# KiCad board pandakbd_panel.kicad_pcb (continued)
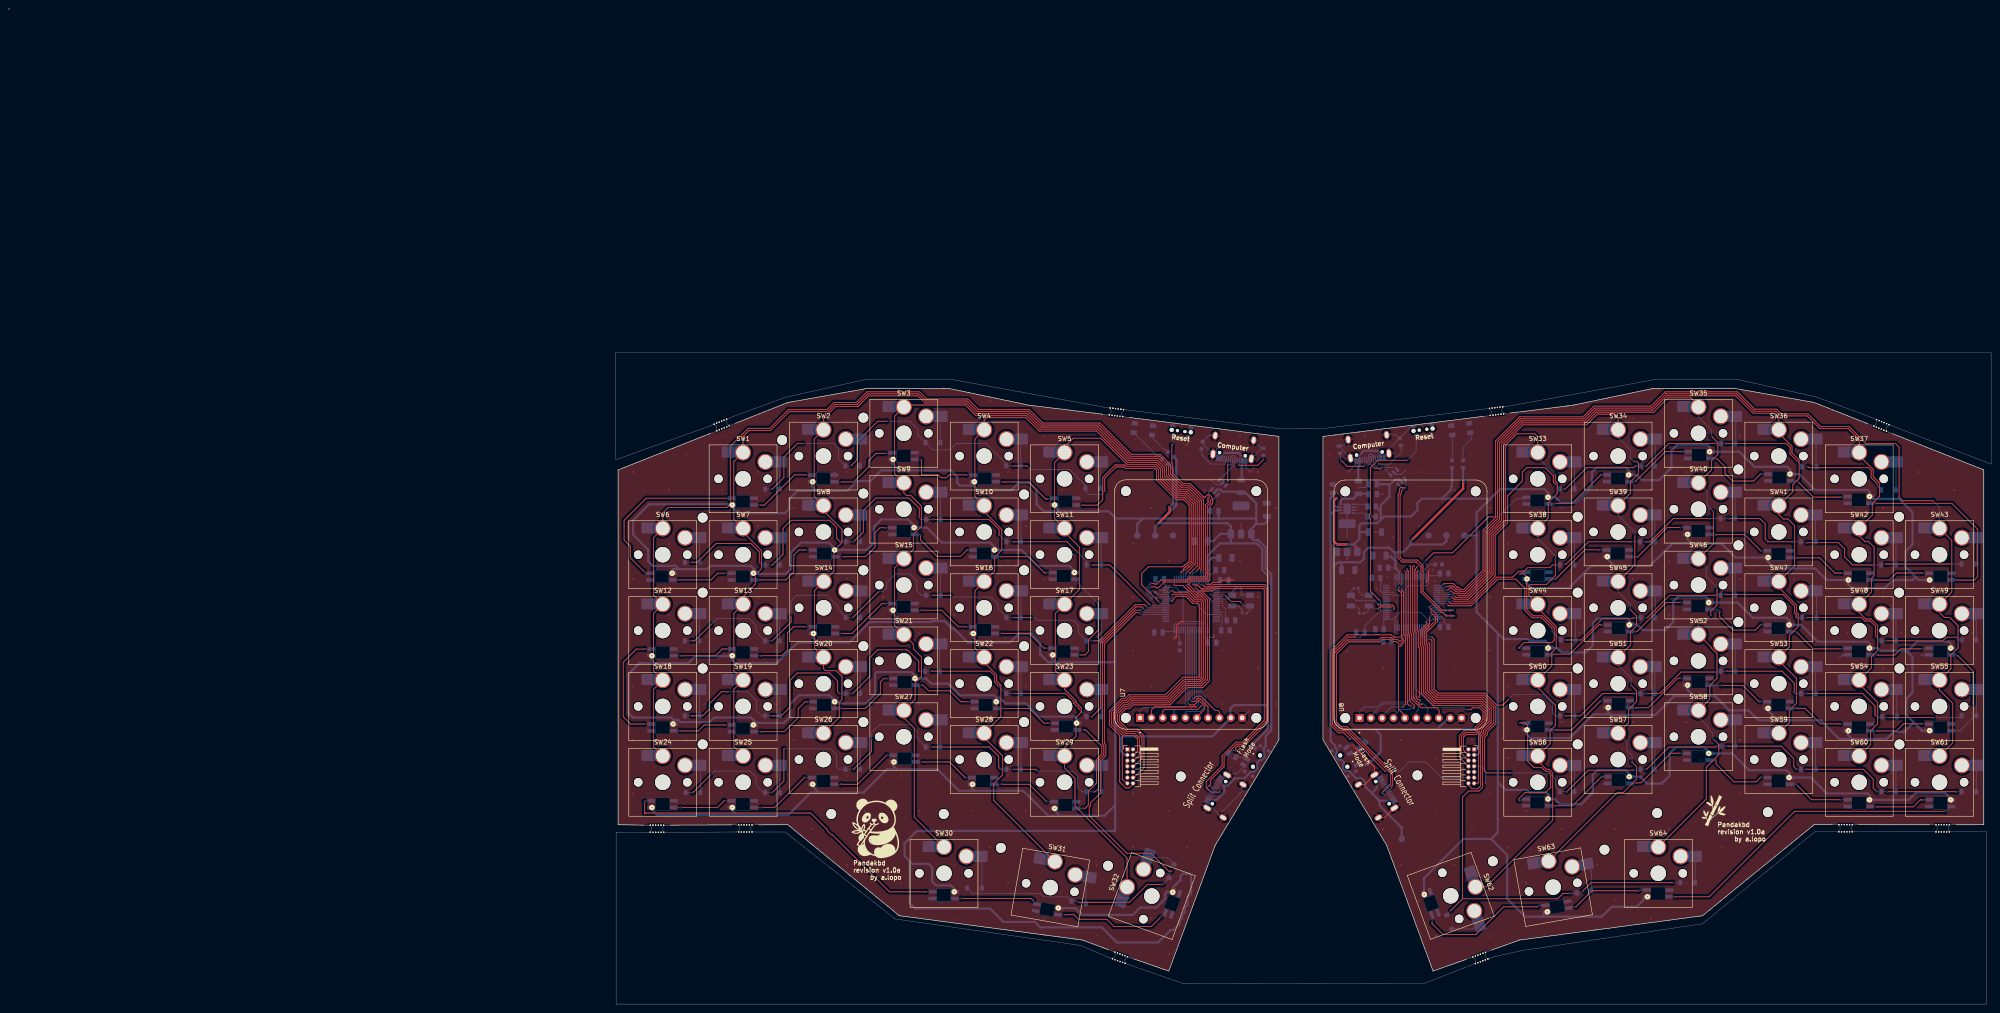
[diagram p0: board, top side]
## Library data of the parts
C1-C4 = -: Description: Unpolarized capacitor; LCSC: C13585; LCSC Part: C13585; ki_fp_filters: C_*
C5-C9 C14-C18 C21 C22 C30 = -: LCSC: C48579599; LCSC Part: C48579599; ki_fp_filters: C_*
C10 C13 = -: LCSC: C13585; LCSC Part: C13585; ki_fp_filters: C_*
C11 C12 C19 C20 = -: LCSC: C441742; LCSC Part: C441742; ki_fp_filters: C_*
C23 C24 C26 C27 C29 = -: Description: Unpolarized capacitor; LCSC: C48579599; LCSC Part: C48579599; ki_fp_filters: C_*
C25 C28 = -: Description: Unpolarized capacitor; LCSC: C1705; LCSC Part: C1705; ki_fp_filters: C_*
D1 D2 = -: Datasheet: https://wmsc.lcsc.com/wmsc/upload/file/pdf/v2/lcsc/2312041000_hongjiacheng-SMF5-0A_C19077497.pdf; Description: 27.4A 7.3V 200W 6.4V Unidirectional 5V SOD-123FL ESD and Surge Protection (TVS/ESD) ROHS; LCSC: C19077497; Stock: 158412; Price: 0.028USD; Process: SMT; Minimum Qty: 15; Attrition Qty: 4; Class: Preferred Component; Category: Circuit Protection,ESD And Surge Protection (TVS/ESD); Manufacturer: hongjiacheng; LCSC Part: C19077497; ki_fp_filters: D_*
D3 D5 = -: Datasheet: https://www.lcsc.com/datasheet/C84260.pdf; Description: Light emitting diode; Sim.Pins: 1=K 2=A; LCSC: C84260; ki_fp_filters: LED* LED_SMD:* LED_THT:*
D4 D70 = -: Datasheet: https://www.lcsc.com/datasheet/C84261.pdf; Description: Light emitting diode; Sim.Pins: 1=K 2=A; LCSC: C84261; ki_fp_filters: LED* LED_SMD:* LED_THT:*
D6-D69 = -: Sim.Device: D; Sim.Pins: 1=K 2=A; LCSC: C917030; LCSC Part: C917030; ki_fp_filters: TO-???* *_Diode_* *SingleDiode* D_*
J1 J2 = -: Datasheet: https://www.st.com/content/ccc/resource/technical/document/user_manual/group1/99/49/91/b6/b2/3a/46/e5/DM00526767/files/DM00526767.pdf/jcr:content/translations/en.DM00526767.pdf; Description: ST Debug Connector, standard ARM Cortex-M SWD and JTAG interface plus UART; ki_fp_filters: PinHeader?2x07?P1.27mm*
LED1-LED64 = -: ki_fp_filters: 4960_ADA
R1 R7-R9 = -: LCSC: C2907114; LCSC Part: C2907114; ki_fp_filters: R_*
R2 R11 = -: Datasheet: https://www.lcsc.com/datasheet/C108661.pdf; Description: Resistor; LCSC: C108661; ki_fp_filters: R_*
R3 R4 = -: LCSC: C84376; LCSC Part: C84376; ki_fp_filters: R_*
R5 = -: Description: Resistor; LCSC: C17630; LCSC Part: C17630; ki_fp_filters: R_*
R6 = -: Description: Resistor; LCSC: C84376; LCSC Part: C84376; ki_fp_filters: R_*
R10 R12 = -: Description: Resistor; LCSC: C2907148; ki_fp_filters: R_*
R13-R16 = -: Description: Resistor; LCSC: C2906914; ki_fp_filters: R_*
SW1-SW64 = -: LCSC: C917030; LCSC Part: C917030
SW66 SW69 = -: LCSC Part: C2890358; LCSC: C2890358
U1 U2 = -: Datasheet: https://www.analog.com/media/en/technical-documentation/data-sheets/1963aff.pdf; Description: 3.3V, 1.5A, Low Noise, Fast Transient Response LDO Regulator, SOT-223; LCSC: C6186; LCSC Part: C6186; ki_fp_filters: SOT*223*
U3 U4 = -: Datasheet: https://www.st.com/resource/en/datasheet/stm32f446rc.pdf; Description: STMicroelectronics Arm Cortex-M4 MCU, 256KB flash, 128KB RAM, 180 MHz, 1.8-3.6V, 50 GPIO, LQFP64; LCSC: C915971; LCSC Part: C915971; ki_fp_filters: LQFP*10x10mm*P0.5mm*
U5 U10 = -: LCSC Part: C5261088; LCSC: C5261088
U6 = -: Datasheet: https://lcsc.com/product-detail/PMIC-Battery-Management_TI_TPS2115ADRBR_TPS2115ADRBR_C140321.html; LCSC Part: C2863458; LCSC: C2863458
U7 U8 = -: PARTREV: 2021-12-09; MANUFACTURER: Adafruit Industries; STANDARD: Manufacturer Recommendations
U9 U11 = -: LCSC Part: C17179533
USBC1-USBC4 = -: Datasheet: https://lcsc.com/product-detail/USB-Type-C_Korean-Hroparts-Elec-TYPE-C-31-M-12_C165948.html; LCSC Part: C165948; LCSC: C165948
Y1 Y2 = -: LCSC: C1985378; LCSC Part: C1985378; ki_fp_filters: Crystal*

## Footprints (pads in the part's own frame, mm; a bottom-side part is the same pattern mirrored in y, then rotated)
4960_ADA
  rect 1.739x0.798 smd: 1(-2.534,0.742)
  rect 1.733x0.818 smd: 2(-2.537,-0.752)
  rect 1.739x0.817 smd: 3(2.534,-0.751)
  rect 1.745x0.804 smd: 4(2.531,0.745)
C_0402_1005Metric
  rrect 0.56x0.62 smd: 1(-0.48,0) 2(0.48,0)
C_0603_1608Metric
  rrect 0.9x0.95 smd: 1(-0.775,0) 2(0.775,0)
C_0805_2012Metric
  rrect 1x1.45 smd: 1(-0.95,0) 2(0.95,0)
C_1206_3216Metric
  rrect 1.15x1.8 smd: 1(-1.475,0) 2(1.475,0)
Crystal_SMD_Abracon_ABM3B-4Pin_5.0x3.2mm
  rrect 1.8x1.2 smd: 1(-2,-1.2) 2(2,-1.2) 3(2,1.2) 4(-2,1.2)
D_SOD-123
  rrect 0.9x1.2 smd: 1(-1.65,0) 2(1.65,0)
D_SOD-123#2
  rrect 0.9x1.2 smd: 1(-1.65,0) 2(1.65,0)
D_SOD-123FL
  rrect 1.1x1.6 smd: 1(-1.4,0) 2(1.4,0)
LED0805-R-RD
  rect 1x1.4 smd: 1(1.05,0) 2(-1.05,0)
LQFP-64_10x10mm_P0.5mm
  rrect 1.55x0.3 smd: 1(-5.675,3.75) 2(-5.675,3.25) 3(-5.675,2.75) 4(-5.675,2.25) 5(-5.675,1.75) 6(-5.675,1.25) 7(-5.675,0.75) 8(-5.675,0.25) 9(-5.675,-0.25) 10(-5.675,-0.75) 11(-5.675,-1.25) 12(-5.675,-1.75) 13(-5.675,-2.25) 14(-5.675,-2.75) 15(-5.675,-3.25) 16(-5.675,-3.75) 33(5.675,-3.75) 34(5.675,-3.25) 35(5.675,-2.75) 36(5.675,-2.25) 37(5.675,-1.75) 38(5.675,-1.25) 39(5.675,-0.75) 40(5.675,-0.25) 41(5.675,0.25) 42(5.675,0.75) 43(5.675,1.25) 44(5.675,1.75) 45(5.675,2.25) 46(5.675,2.75) 47(5.675,3.25) 48(5.675,3.75)
  rrect 0.3x1.55 smd: 17(-3.75,-5.675) 18(-3.25,-5.675) 19(-2.75,-5.675) 20(-2.25,-5.675) 21(-1.75,-5.675) 22(-1.25,-5.675) 23(-0.75,-5.675) 24(-0.25,-5.675) 25(0.25,-5.675) 26(0.75,-5.675) 27(1.25,-5.675) 28(1.75,-5.675) 29(2.25,-5.675) 30(2.75,-5.675) 31(3.25,-5.675) 32(3.75,-5.675) 49(3.75,5.675) 50(3.25,5.675) 51(2.75,5.675) 52(2.25,5.675) 53(1.75,5.675) 54(1.25,5.675) 55(0.75,5.675) 56(0.25,5.675) 57(-0.25,5.675) 58(-0.75,5.675) 59(-1.25,5.675) 60(-1.75,5.675) 61(-2.25,5.675) 62(-2.75,5.675) 63(-3.25,5.675) 64(-3.75,5.675)
LQFP-64_10x10mm_P0.5mm#2
  rrect 1.55x0.3 smd: 1(-5.675,3.75) 2(-5.675,3.25) 3(-5.675,2.75) 4(-5.675,2.25) 5(-5.675,1.75) 6(-5.675,1.25) 7(-5.675,0.75) 8(-5.675,0.25) 9(-5.675,-0.25) 10(-5.675,-0.75) 11(-5.675,-1.25) 12(-5.675,-1.75) 13(-5.675,-2.25) 14(-5.675,-2.75) 15(-5.675,-3.25) 16(-5.675,-3.75) 33(5.675,-3.75) 34(5.675,-3.25) 35(5.675,-2.75) 36(5.675,-2.25) 37(5.675,-1.75) 38(5.675,-1.25) 39(5.675,-0.75) 40(5.675,-0.25) 41(5.675,0.25) 42(5.675,0.75) 43(5.675,1.25) 44(5.675,1.75) 45(5.675,2.25) 46(5.675,2.75) 47(5.675,3.25) 48(5.675,3.75)
  rrect 0.3x1.55 smd: 17(-3.75,-5.675) 18(-3.25,-5.675) 19(-2.75,-5.675) 20(-2.25,-5.675) 21(-1.75,-5.675) 22(-1.25,-5.675) 23(-0.75,-5.675) 24(-0.25,-5.675) 25(0.25,-5.675) 26(0.75,-5.675) 27(1.25,-5.675) 28(1.75,-5.675) 29(2.25,-5.675) 30(2.75,-5.675) 31(3.25,-5.675) 32(3.75,-5.675) 49(3.75,5.675) 50(3.25,5.675) 51(2.75,5.675) 52(2.25,5.675) 53(1.75,5.675) 54(1.25,5.675) 55(0.75,5.675) 56(0.25,5.675) 57(-0.25,5.675) 58(-0.75,5.675) 59(-1.25,5.675) 60(-1.75,5.675) 61(-2.25,5.675) 62(-2.75,5.675) 63(-3.25,5.675) 64(-3.75,5.675)
MODULE_358
  round 2.2 hole 2.2 unplated: (-25.4,14.605) (-25.4,-14.605) (25.4,14.605) (25.4,-14.605)
  rect 1.778x1.778 hole 1.016: 1(-25.4,11.43)
  round 1.778 hole 1.016: 2(-25.4,8.89) 3(-25.4,6.35) 4(-25.4,3.81) 5(-25.4,1.27) 6(-25.4,-1.27) 7(-25.4,-3.81) 8(-25.4,-6.35) 9(-25.4,-8.89) 10(-25.4,-11.43)
MountingHole_2.2mm_M2
  round 2.2 hole 2.2 unplated: (0,0)
MouseBites, Cosmetic, JLCPCB, 1.6mm
  round 0.3 hole 0.38 unplated: (0,3.9) (0,3.3) (0,2.7) (0,2.1) (0,1.5) (0,4.5) (1.6,4.5) (1.6,3.9) (1.6,2.7) (1.6,1.5) (1.6,3.3) (1.6,2.1)
PinHeader_2x07_P1.27mm_Horizontal
  rect 1x1 hole 0.65: 1(0,0)
  round 1 hole 0.65: 2(1.27,0) 3(0,-1.27) 4(1.27,-1.27) 5(0,-2.54) 6(1.27,-2.54) 7(0,-3.81) 8(1.27,-3.81) 9(0,-5.08) 10(1.27,-5.08) 11(0,-6.35) 12(1.27,-6.35) 13(0,-7.62) 14(1.27,-7.62)
R_0402_1005Metric
  rrect 0.54x0.64 smd: 1(-0.51,0) 2(0.51,0)
R_0603_1608Metric
  rrect 0.8x0.95 smd: 1(-0.825,0) 2(0.825,0)
R_0805_2012Metric
  rrect 1.025x1.4 smd: 1(-0.912,0) 2(0.912,0)
SON-8_L3.0-W3.0-P0.65-LS3.0-BL-EP
  rect 0.35x0.6 smd: 1(-0.99,-1.4) 2(-0.33,-1.4) 3(0.33,-1.4) 4(0.99,-1.4) 5(0.99,1.4) 6(0.33,1.4) 7(-0.33,1.4) 8(-0.99,1.4)
  rect 2.4x1.6 smd: 9(0,0)
SOT-23-6_L2.9-W1.6-P0.95-LS2.8-BR
  rect 1.1x0.6 smd: 1(1.35,-0.95) 2(1.35,0) 3(1.35,0.95) 4(-1.35,0.95) 5(-1.35,0) 6(-1.35,-0.95)
SOT-223-3_TabPin2
  rrect 2x1.5 smd: 1(-3.15,2.3) 2(-3.15,0) 3(-3.15,-2.3)
  rrect 2x3.8 smd: 2(3.15,0)
SW-SMD_GT-TC020B-H035-L05
  round 0.9 hole 0.9: (-2.15,-0.32) (2.15,-0.32)
  round 0.7 hole 0.7: (-0.85,-0.32) (0.85,-0.32)
  rect 0.7x1.2 smd: 1(-1.7,0.97) 2(1.7,0.97)
  rect 1.5x1 smd: 3(0,1.27)
  rect 1.1x0.7 smd: 4(-2.1,-1.27) 4(2.1,-1.27)
SW-SMD_GT-TC020B-H035-L05#2
  round 0.9 hole 0.9: (-2.15,-0.32) (2.15,-0.32)
  round 0.7 hole 0.7: (-0.85,-0.32) (0.85,-0.32)
  rect 0.7x1.2 smd: 1(-1.7,0.97) 2(1.7,0.97)
  rect 1.5x1 smd: 3(0,1.27)
  rect 1.1x0.7 smd: 4(-2.1,-1.27) 4(2.1,-1.27)
SW-SMD_MK-12C03-G015
  round 0.9 hole 0.9: (-1.5,-0.48) (1.5,-0.48)
  rect 0.9x1.4 smd: 1(-2.25,1.56) 2(0.75,1.56) 3(2.25,1.56)
  rect 0.75x0.85 smd: 4(-3.38,0.59) 5(-3.38,-1.56) 6(3.37,0.57) 7(3.38,-1.56)
SW-SMD_MK-12C03-G015#2
  round 0.9 hole 0.9: (-1.5,-0.48) (1.5,-0.48)
  rect 0.9x1.4 smd: 1(-2.25,1.56) 2(0.75,1.56) 3(2.25,1.56)
  rect 0.75x0.85 smd: 4(-3.38,0.59) 5(-3.38,-1.56) 6(3.37,0.57) 7(3.38,-1.56)
SW_Hotswap_Kailh_Choc_V1_Plated_1.00u
  round 1.9 hole 1.9 unplated: (-5.5,0) (5.5,0)
  rrect 2.55x2.5 smd: (-3.5,6) (8.5,3.8)
  round 3.45 hole 3.45 unplated: (0,0)
  rrect 3.85x2.5 smd far side: 1(-2.85,6) 2(7.85,3.8)
  round 3.6 hole 3.05: 1(0,5.9) 2(5,3.8)
SW_Hotswap_Kailh_Choc_V1_Plated_1.50u
  round 1.9 hole 1.9 unplated: (-5.5,0) (5.5,0)
  rrect 2.55x2.5 smd: (-3.5,6) (8.5,3.8)
  round 3.45 hole 3.45 unplated: (0,0)
  rrect 3.85x2.5 smd far side: 1(-2.85,6) 2(7.85,3.8)
  round 3.6 hole 3.05: 1(0,5.9) 2(5,3.8)
TestPoint_Pad_D1.5mm
  round 1.5 smd: 1(0,0)
TestPoint_Pad_D1.5mm#2
  round 1.5 smd: 2(0,0)
TestPoint_Pad_D1.5mm#3
  round 1.5 smd: 3(0,0)
unnamed
  round 2.2 hole 2.2 unplated: (0,0)
USB-C_SMD-TYPE-C-31-M-12_1
  round 0.75 hole 0.75: (-2.9,1.21) (2.9,1.21)
  oval 1.2x2 hole 0.8x1.6: 1(4.33,1.71) 4(-4.33,1.71)
  oval 1.2x1.8 hole 0.8x1.4: 2(4.33,-2.47) 3(-4.33,-2.47)
  custom 0.7x1.4 smd: A1B12(-3.2,2.47) A4B9(-2.4,2.47) B1A12(3.2,2.47) B4A9(2.4,2.47)
  rect 0.3x1.3 smd: A5(-1.25,2.47) A6(-0.25,2.47) A7(0.25,2.47) A8(1.25,2.47) B5(1.75,2.47) B6(0.75,2.47) B7(-0.75,2.47) B8(-1.75,2.47)
USB-C_SMD-TYPE-C-31-M-12_1#2
  round 0.75 hole 0.75: (-2.9,1.21) (2.9,1.21)
  oval 1.2x2 hole 0.8x1.6: 1(4.33,1.71) 4(-4.33,1.71)
  oval 1.2x1.8 hole 0.8x1.4: 2(4.33,-2.47) 3(-4.33,-2.47)
  custom 0.7x1.4 smd: A1B12(-3.2,2.47) A4B9(-2.4,2.47) B1A12(3.2,2.47) B4A9(2.4,2.47)
  rect 0.3x1.3 smd: A5(-1.25,2.47) A6(-0.25,2.47) A7(0.25,2.47) A8(1.25,2.47) B5(1.75,2.47) B6(0.75,2.47) B7(-0.75,2.47) B8(-1.75,2.47)
USB-C_SMD-TYPE-C-31-M-12_1#3
  round 0.75 hole 0.75: (-2.9,1.21) (2.9,1.21)
  oval 1.2x2 hole 0.8x1.6: 1(4.33,1.71) 4(-4.33,1.71)
  oval 1.2x1.8 hole 0.8x1.4: 2(4.33,-2.47) 3(-4.33,-2.47)
  custom 0.7x1.4 smd: A1B12(-3.2,2.47) A4B9(-2.4,2.47) B1A12(3.2,2.47) B4A9(2.4,2.47)
  rect 0.3x1.3 smd: A5(-1.25,2.47) A6(-0.25,2.47) A7(0.25,2.47) A8(1.25,2.47) B5(1.75,2.47) B6(0.75,2.47) B7(-0.75,2.47) B8(-1.75,2.47)

## Nets
+3.3V: 3.3V.2 3.3V#2.2 C2.1 C4.1 C5.1 C6.1 C7.1 C8.1 C9.1 C10.1 C13.2 C14.2 C15.2 C16.2 C17.2 C18.2 C29.1 C30.2 J1.3 J2.3 R2.2 R11.2 SW66.1 SW69.1 U1.3 U2.3 U3.1 U3.13 U3.19 U3.32 U3.48 U3.64 U4.1 U4.13 U4.19 U4.32 U4.48 U4.64 U7.9 U8.9
+5V: 5V.1 5V#2.1 C1.1 C3.1 C23.1 C24.1 D2.1 LED1.1 LED2.1 LED3.1 LED4.1 LED5.1 LED6.1 LED7.1 LED8.1 LED9.1 LED10.1 LED11.1 LED12.1 LED13.1 LED14.1 LED15.1 LED16.1 LED17.1 LED18.1 LED19.1 LED20.1 LED21.1 LED22.1 LED23.1 LED24.1 LED25.1 LED26.1 LED27.1 LED28.1 LED29.1 LED30.1 LED31.1 LED32.1 LED33.1 LED34.1 LED35.1 LED36.1 LED37.1 LED38.1 LED39.1 LED40.1 LED41.1 LED42.1 LED43.1 LED44.1 LED45.1 LED46.1 LED47.1 LED48.1 LED49.1 LED50.1 LED51.1 LED52.1 LED53.1 LED54.1 LED55.1 LED56.1 LED57.1 LED58.1 LED59.1 LED60.1 LED61.1 LED62.1 LED63.1 LED64.1 R6.1 R10.2 R12.2 U1.1 U2.1 U5.5 U6.7 U10.5 USBC3.A4B9 USBC3.B4A9
/VBUSa: D2.2 USBC1.A4B9 USBC1.B4A9
/VBUSb: D1.2 USBC2.A4B9 USBC2.B4A9
GND: C1.2 C2.2 C3.2 C4.2 C5.2 C6.2 C7.2 C8.2 C9.2 C10.2 C11.2 C12.2 C13.1 C14.1 C15.1 C16.1 C17.1 C18.1 C19.2 C20.2 C21.1 C22.1 C23.2 C24.2 C25.1 C26.1 C27.1 C28.1 C29.2 C30.1 D3.1 D4.1 D5.1 D70.1 GND.3 J1.5 J1.7 J2.5 J2.7 LED1.3 LED2.3 LED3.3 LED4.3 LED5.3 LED6.3 LED7.3 LED8.3 LED9.3 LED10.3 LED11.3 LED12.3 LED13.3 LED14.3 LED15.3 LED16.3 LED17.3 LED18.3 LED19.3 LED20.3 LED21.3 LED22.3 LED23.3 LED24.3 LED25.3 LED26.3 LED27.3 LED28.3 LED29.3 LED30.3 LED31.3 LED32.3 LED33.3 LED34.3 LED35.3 LED36.3 LED37.3 LED38.3 LED39.3 LED40.3 LED41.3 LED42.3 LED43.3 LED44.3 LED45.3 LED46.3 LED47.3 LED48.3 LED49.3 LED50.3 LED51.3 LED52.3 LED53.3 LED54.3 LED55.3 LED56.3 LED57.3 LED58.3 LED59.3 LED60.3 LED61.3 LED62.3 LED63.3 LED64.3 R1.1 R5.2 R7.1 R8.1 R9.1 SW66.3 SW69.3 U1.2 U2.2 U3.12 U3.18 U3.31 U3.47 U3.63 U4.12 U4.18 U4.31 U4.47 U4.63 U5.2 U6.2 U6.3 U6.5 U6.9 U7.10 U8.10 U9.2 U9.3 U9.4 U10.2 U11.2 U11.3 U11.4 USBC1.1 USBC1.2 USBC1.3 USBC1.4 USBC1.A1B12 USBC1.B1A12 USBC2.1 USBC2.2 USBC2.3 USBC2.4 USBC2.A1B12 USBC2.B1A12 USBC3.1 USBC3.2 USBC3.3 USBC3.4 USBC3.A1B12 USBC3.B1A12 USBC4.1 USBC4.2 USBC4.3 USBC4.4 USBC4.A1B12 USBC4.B1A12 Y1.2 Y1.4 Y2.2 Y2.4
VBUS MASTER HALF: C27.2 MASTER VBUS.1 U6.6 USBC4.A4B9 USBC4.B4A9
VBUS USB: C26.2 D1.1 U6.8
/STM MCUs/BOOT0a: R3.1 U3.60
/STM MCUs/BOOT0b: R4.1 U4.60
/STM MCUs/OSC INa: C11.1 U3.5 Y1.3
/STM MCUs/OSC OUTa: C12.1 U3.6 Y1.1
/STM MCUs/SW_BOOT0a: R3.2 SW69.2
/STM MCUs/SW_BOOT0b: R4.2 SW66.2
COL0a: SW6.1 SW12.1 SW18.1 SW24.1 U3.62
COL0b: SW43.1 SW49.1 SW55.1 SW61.1 U4.33
COL1a: SW1.1 SW7.1 SW13.1 SW19.1 SW25.1 U3.61
COL1b: SW37.1 SW42.1 SW48.1 SW54.1 SW60.1 U4.34
COL2a: SW2.1 SW8.1 SW14.1 SW20.1 SW26.1 U3.57
COL2b: SW36.1 SW41.1 SW47.1 SW53.1 SW59.1 U4.35
COL3a: SW3.1 SW9.1 SW15.1 SW21.1 SW27.1 SW30.1 U3.56
COL3b: SW35.1 SW40.1 SW46.1 SW52.1 SW58.1 SW64.1 U4.36
COL4a: SW4.1 SW10.1 SW16.1 SW22.1 SW28.1 SW31.1 U3.54
COL4b: SW34.1 SW39.1 SW45.1 SW51.1 SW57.1 SW63.1 U4.37
COL5a: SW5.1 SW11.1 SW17.1 SW23.1 SW29.1 SW32.1 U3.53
COL5b: SW33.1 SW38.1 SW44.1 SW50.1 SW56.1 SW62.1 U4.38
CSa: U3.20 U7.5
CSb: U4.20 U8.5
DataCommanda: U3.25 U7.7
DataCommandb: U4.25 U8.7
LCDReseta: U3.24 U7.8
LCDResetb: U4.24 U8.8
LEDsa: LED1.4 U3.52
LEDsb: LED33.4 U4.28
MISOa: U3.22 U7.2
MISOb: U4.22 U8.2
MOSIa: U3.23 U7.4
MOSIb: U4.23 U8.4
OSC INb: C19.1 U4.5 Y2.3
OSC OUTb: C20.1 U4.6 Y2.1
RESETa: C21.2 J2.12 U3.7 U9.1
RESETb: C22.2 J1.12 U4.7 U11.1
ROW0a: D6.1 D7.1 D8.1 D9.1 D10.1 U3.41
ROW0b: D38.1 D39.1 D40.1 D41.1 D42.1 U4.39
ROW1a: D11.1 D12.1 D13.1 D14.1 D15.1 D16.1 U3.40
ROW1b: D43.1 D44.1 D45.1 D46.1 D47.1 D48.1 U4.40
ROW2a: D17.1 D18.1 D19.1 D20.1 D21.1 D22.1 U3.39
ROW2b: D49.1 D50.1 D51.1 D52.1 D53.1 D54.1 U4.41
ROW3a: D23.1 D24.1 D25.1 D26.1 D27.1 D28.1 U3.38
ROW3b: D55.1 D56.1 D57.1 D58.1 D59.1 D60.1 U4.50
ROW4a: D29.1 D30.1 D31.1 D32.1 D33.1 D34.1 U3.37
ROW4b: D61.1 D62.1 D63.1 D64.1 D65.1 D66.1 U4.51
ROW5a: D35.1 D36.1 D37.1 U3.36
ROW5b: D67.1 D68.1 D69.1 U4.52
SCKa: U3.21 U7.3
SCKb: U4.21 U8.3
SCLa: U3.58 USBC3.A6 USBC3.B6
SCLb: U4.58 USBC4.A6 USBC4.B6
ScreenBrighta: U3.27 U7.1
ScreenBrightb: U4.27 U8.1
SDAa: U3.59 USBC3.A7 USBC3.B7
SDAb: U4.59 USBC4.A7 USBC4.B7
SDCSa: U3.26 U7.6
SDCSb: U4.26 U8.6
SWCLKa: J2.6 U3.49
SWCLKb: J1.6 U4.49
SWDIOa: J2.4 U3.46
SWDIOb: J1.4 U4.46
SWOa: J2.8 U3.55
SWOb: J1.8 U4.55
UART_RXa: J2.13 U3.43
UART_RXb: J1.13 U4.43
UART_TXa: J2.14 U3.42
UART_TXb: J1.14 U4.42
USBDa+: R13.2 U5.6
USBDa-: R14.2 U5.4
USBDb+: R15.2 U10.6
USBDb-: R16.2 U10.4
Net-(D3-A): D3.2 R2.1
Net-(D4-A): D4.2 R10.1
Net-(D5-A): D5.2 R11.1
Net-(D6-A): D6.2 SW1.2
Net-(D7-A): D7.2 SW2.2
Net-(D8-A): D8.2 SW3.2
Net-(D9-A): D9.2 SW4.2
Net-(D10-A): D10.2 SW5.2
Net-(D11-A): D11.2 SW6.2
Net-(D12-A): D12.2 SW7.2
Net-(D13-A): D13.2 SW8.2
Net-(D14-A): D14.2 SW9.2
Net-(D15-A): D15.2 SW10.2
Net-(D16-A): D16.2 SW11.2
Net-(D17-A): D17.2 SW12.2
Net-(D18-A): D18.2 SW13.2
Net-(D19-A): D19.2 SW14.2
Net-(D20-A): D20.2 SW15.2
Net-(D21-A): D21.2 SW16.2
Net-(D22-A): D22.2 SW17.2
Net-(D23-A): D23.2 SW18.2
Net-(D24-A): D24.2 SW19.2
Net-(D25-A): D25.2 SW20.2
Net-(D26-A): D26.2 SW21.2
Net-(D27-A): D27.2 SW22.2
Net-(D28-A): D28.2 SW23.2
Net-(D29-A): D29.2 SW24.2
Net-(D30-A): D30.2 SW25.2
Net-(D31-A): D31.2 SW26.2
Net-(D32-A): D32.2 SW27.2
Net-(D33-A): D33.2 SW28.2
Net-(D34-A): D34.2 SW29.2
Net-(D35-A): D35.2 SW30.2
Net-(D36-A): D36.2 SW31.2
Net-(D37-A): D37.2 SW32.2
Net-(D38-A): D38.2 SW33.2
Net-(D39-A): D39.2 SW34.2
Net-(D40-A): D40.2 SW35.2
Net-(D41-A): D41.2 SW36.2
Net-(D42-A): D42.2 SW37.2
Net-(D43-A): D43.2 SW38.2
Net-(D44-A): D44.2 SW39.2
Net-(D45-A): D45.2 SW40.2
Net-(D46-A): D46.2 SW41.2
Net-(D47-A): D47.2 SW42.2
Net-(D48-A): D48.2 SW43.2
Net-(D49-A): D49.2 SW44.2
Net-(D50-A): D50.2 SW45.2
Net-(D51-A): D51.2 SW46.2
Net-(D52-A): D52.2 SW47.2
Net-(D53-A): D53.2 SW48.2
Net-(D54-A): D54.2 SW49.2
Net-(D55-A): D55.2 SW50.2
Net-(D56-A): D56.2 SW51.2
Net-(D57-A): D57.2 SW52.2
Net-(D58-A): D58.2 SW53.2
Net-(D59-A): D59.2 SW54.2
Net-(D60-A): D60.2 SW55.2
Net-(D61-A): D61.2 SW56.2
Net-(D62-A): D62.2 SW57.2
Net-(D63-A): D63.2 SW58.2
Net-(D64-A): D64.2 SW59.2
Net-(D65-A): D65.2 SW60.2
Net-(D66-A): D66.2 SW61.2
Net-(D67-A): D67.2 SW62.2
Net-(D68-A): D68.2 SW63.2
Net-(D69-A): D69.2 SW64.2
Net-(D70-A): D70.2 R12.1
Net-(LED1-DOUT): LED1.2 LED2.4
Net-(LED2-DOUT): LED2.2 LED3.4
Net-(LED3-DOUT): LED3.2 LED4.4
Net-(LED4-DOUT): LED4.2 LED5.4
Net-(LED5-DOUT): LED5.2 LED6.4
Net-(LED6-DOUT): LED6.2 LED7.4
Net-(LED7-DOUT): LED7.2 LED8.4
Net-(LED8-DOUT): LED8.2 LED9.4
Net-(LED10-DIN): LED9.2 LED10.4
Net-(LED10-DOUT): LED10.2 LED11.4
Net-(LED11-DOUT): LED11.2 LED12.4
Net-(LED12-DOUT): LED12.2 LED13.4
Net-(LED13-DOUT): LED13.2 LED14.4
Net-(LED14-DOUT): LED14.2 LED15.4
Net-(LED15-DOUT): LED15.2 LED16.4
Net-(LED16-DOUT): LED16.2 LED17.4
Net-(LED17-DOUT): LED17.2 LED18.4
Net-(LED18-DOUT): LED18.2 LED19.4
Net-(LED19-DOUT): LED19.2 LED20.4
Net-(LED20-DOUT): LED20.2 LED21.4
Net-(LED21-DOUT): LED21.2 LED22.4
Net-(LED22-DOUT): LED22.2 LED23.4
Net-(LED23-DOUT): LED23.2 LED24.4
Net-(LED24-DOUT): LED24.2 LED25.4
Net-(LED25-DOUT): LED25.2 LED26.4
Net-(LED26-DOUT): LED26.2 LED27.4
Net-(LED27-DOUT): LED27.2 LED28.4
Net-(LED28-DOUT): LED28.2 LED29.4
Net-(LED29-DOUT): LED29.2 LED30.4
Net-(LED30-DOUT): LED30.2 LED31.4
Net-(LED31-DOUT): LED31.2 LED32.4
Net-(LED33-DOUT): LED33.2 LED34.4
Net-(LED34-DOUT): LED34.2 LED35.4
Net-(LED35-DOUT): LED35.2 LED36.4
Net-(LED36-DOUT): LED36.2 LED37.4
Net-(LED37-DOUT): LED37.2 LED38.4
Net-(LED38-DOUT): LED38.2 LED44.4
Net-(LED39-DIN): LED39.4 LED40.2
Net-(LED39-DOUT): LED39.2 LED45.4
Net-(LED40-DIN): LED40.4 LED41.2
Net-(LED41-DIN): LED41.4 LED42.2
Net-(LED42-DIN): LED42.4 LED43.2
Net-(LED43-DIN): LED43.4 LED44.2
Net-(LED45-DOUT): LED45.2 LED46.4
Net-(LED46-DOUT): LED46.2 LED47.4
Net-(LED47-DOUT): LED47.2 LED48.4
Net-(LED48-DOUT): LED48.2 LED49.4
Net-(LED49-DOUT): LED49.2 LED50.4
Net-(LED50-DOUT): LED50.2 LED56.4
Net-(LED51-DIN): LED51.4 LED52.2
Net-(LED51-DOUT): LED51.2 LED57.4
Net-(LED52-DIN): LED52.4 LED53.2
Net-(LED53-DIN): LED53.4 LED54.2
Net-(LED54-DIN): LED54.4 LED55.2
Net-(LED55-DIN): LED55.4 LED56.2
Net-(LED57-DOUT): LED57.2 LED58.4
Net-(LED58-DOUT): LED58.2 LED59.4
Net-(LED59-DOUT): LED59.2 LED60.4
Net-(LED60-DOUT): LED60.2 LED61.4
Net-(LED61-DOUT): LED61.2 LED62.4
Net-(LED62-DOUT): LED62.2 LED64.4
Net-(LED63-DIN): LED63.4 LED64.2
Net-(U3-PA11): R13.1 U3.44
Net-(U3-PA12): R14.1 U3.45
Net-(U3-VCAP_1): C25.2 U3.30
Net-(U4-PA11): R15.1 U4.44
Net-(U4-PA12): R16.1 U4.45
Net-(U4-VCAP_1): C28.2 U4.30
Net-(U6-ILIM): R5.1 U6.4
Net-(U6-STAT): R6.2 U6.1
Net-(USBC1-CC1): R1.2 USBC1.A5
Net-(USBC1-CC2): R7.2 USBC1.B5
Net-(USBC1-DN1): U5.3 USBC1.A7 USBC1.B7
Net-(USBC1-DP1): U5.1 USBC1.A6 USBC1.B6
Net-(USBC2-CC1): R9.2 USBC2.A5
Net-(USBC2-CC2): R8.2 USBC2.B5
Net-(USBC2-DN1): U10.3 USBC2.A7 USBC2.B7
Net-(USBC2-DP1): U10.1 USBC2.A6 USBC2.B6

Pads without a net: GND#2 3; J1 1 2 9 10 11; J2 1 2 9 10 11; LED32 2; LED63 2; SW66 4 5 6 7; SW69 4 5 6 7; U3 2 3 4 8 9 10 11 14 15 16 17 28 29 33 34 35 50 51; U4 2 3 4 8 9 10 11 14 15 16 17 29 53 54 56 57 61 62; USBC1 A8 B8; USBC2 A8 B8; USBC3 A5 A8 B5 B8; USBC4 A5 A8 B5 B8

## Via types
v1: diameter 0.4, hole 0.3, Top to Bottom, 614 vias
v2: diameter 0.5, hole 0.3, Top to Bottom, 3 vias

## Routing (per net, layer and track width the routed paths; a pad name or vN(x,y) marks a point on that pad's centre or on a via; arc(x,y) is an arc through that point)
+3.3V: length 427.9
  Top w0.5: v2(124.06,111.31) 124.11,111.25 124.11,110.25 v1(121.61,107.75) ; v2(189.86,117) 189.86,115.5 v2(178.61,104.25)
  Bottom w0.2: 131.67,83.16 131.67,82.32 132.66,81.33 C9.1 ; C18.2 172.06,85.72 U4.1 174.2,86.28 174.71,86.8 ; 177.11,87.8 180.31,87.8 182.11,86 182.81,86 183.09,86.28 ; 177.11,87.8 175.71,87.8 174.71,86.8 ; 177.11,87.8 176.54,88.37 176.54,92.6 ; C17.2 184.66,85.45 183.83,86.28 183.09,86.28 ; 183.09,86.28 184.63,86.28 ; 173.61,81.75 174.11,81.75 174.55,82.18 U4.64 174.55,85.83 174.71,86 174.71,86.8 ; C5.1 122.86,94.16 123.25,93.78 U3.48 125.63,93.29 126.11,92.8 126.11,92.5 ; 176.54,92.68 176.54,92.6 ; 176.54,92.68 177.61,93.75 181.61,93.75 182.05,94.19 182.05,95.71 182.07,95.71 182.36,96 184.16,96 C16.2 ; 176.54,92.68 176.36,92.5 175.36,92.5 174.86,93 174.86,93.58 175.55,94.26 U4.19 ; 176.54,92.6 176.54,91.8 176.34,91.6 174.76,91.6 174.08,92.28 U4.13 171.58,92.28 171.36,92.5 171.36,94.25 171.61,94.5 171.61,95 ; 127.11,85.2 131.41,85.2 131.67,84.94 U3.19 ; 127.11,85.2 127.11,91.5 126.11,92.5 ; 127.11,85.2 125.51,85.2 125.11,84.8 125.11,83.92 U3.32 124.81,83.5 122.61,83.5 ; U3.64 132.67,96.06 132.86,96.25 ; U3.64 132.67,94.44 133.11,94 133.11,93 132.61,92.5 ; U3.64 132.67,95.51 C6.1 ; 135.36,95 135.36,93.75 134.9,93.29 U3.1 133.4,93.29 132.61,92.5 ; 126.11,92.5 130.31,92.5 ; 130.31,92.5 130.31,89.4 132.43,87.29 U3.13 135.51,87.29 135.86,86.94 135.86,85.55 135.66,85.35 135.66,83.5 ; 130.31,92.5 132.61,92.5 ; 174.71,97.63 174.6,97.75 C15.2
  Bottom w0.3: U4.19 175.55,96.8
  Bottom w0.5: 174.71,97.63 174.71,99.25 173.71,100.25 172.84,100.25 C13.2 ; 174.71,97.63 174.71,100.9 174.36,101.25 ; 174.71,97.63 175.55,96.8 ; 137.96,105.35 135.46,105.35 133.86,103.75 C2.1 ; SW66.1 168.49,53.63 171.36,56.5 171.36,60.35 170.11,61.6 ; v2(189.86,117) R2.2 ; v2(124.06,111.31) 124.86,112.11 124.86,120.04 R11.2 ; 160.91,97.4 160.91,100.7 U2.3 ; 178.11,103 185.36,103 186.11,103.75 3.3V.2 ; 178.11,103 178.11,103.75 v2(178.61,104.25) ; 178.11,103 176.36,101.25 174.36,101.25 ; 137.86,103.25 143.61,103.25 144.86,102 144.86,97.25 146.11,96 146.11,67 ; 137.86,103.25 135.36,103.25 132.61,100.5 132.61,98.75 ; 137.86,103.25 137.81,103.3 U1.3 137.81,107.05 137.11,107.75 v1(121.61,107.75) 120.86,107 120.86,105.5 ; J2.3 114.03,55.83 113.11,56.75 113.11,59.5 113.61,60 133.67,60 U7.9 ; 146.11,67 146.11,61.6 143.03,58.52 SW69.1 ; 146.11,67 138.51,67 137.71,66.2 137.71,64 137.71,64.2 ; 170.11,61.6 184.01,61.6 ; 170.11,61.6 162.91,61.6 160.91,63.6 160.91,98.1 161.81,99 162.61,99 ; 162.61,99 166.86,99 167.61,99.75 167.61,101.25 168.61,102.25 173.36,102.25 174.36,101.25 ; 162.61,99 162.61,97.5 ; 184.01,61.6 187.01,64.6 ; 184.01,61.6 192.51,61.6 193.51,60.6 193.51,56.31 193.03,55.83 J1.3 ; 132.73,96.25 132.61,96.36 132.61,98.75 ; C10.1 133.61,100 132.61,99 132.61,98.75
+5V: length 1930.4
  Top w0.5: v1(163.86,103) v1(162.86,103) v1(161.61,103) 160.93,103.69 v1(160.93,111.75) v1(160.93,112.81) v1(161.55,113.43)
  Bottom w0.2: 133.14,45.72 134.02,45.69 ; 135.34,50.08 136.25,48.98
  Bottom w0.4: 161.65,111.39 v1(160.93,111.75) ; 162.3,111.32 161.72,111.37
  Bottom w0.5: 63.51,119.6 75.11,119.6 76.51,118.2 76.51,116.8 77.11,116.2 80.16,116.2 80.44,115.92 ; 63.51,119.6 62.01,121.1 62.01,122.05 ; 63.51,119.6 59.5,119.6 57.1,117.2 54.11,117.2 51.91,115 44.91,115 ; 166.61,105.75 166.61,104.25 165.36,103 ; 166.61,105.75 166.61,107.25 167.11,107.75 170.61,107.75 171.36,108.5 ; 166.61,105.75 C3.1 ; 65.91,32 64.71,33.2 64.71,36 67.51,38.8 111.91,38.8 111.91,44.6 ; 65.91,32 66.51,31.4 70.11,31.4 70.91,30.6 70.91,27.4 71.71,26.6 75.11,26.6 76.02,25.7 76.02,25.15 ; 65.91,32 65.91,22.6 67.11,21.4 83.91,21.4 86.91,18.4 93.91,18.4 95.11,17.2 108.91,17.2 112.31,13.8 121.51,13.8 124.31,16.6 124.91,16.6 126.31,18 126.31,18.6 126.91,19.2 126.91,20 127.51,20.6 127.51,21.6 128.11,22.2 128.11,24 128.91,24.8 128.91,28.8 128.51,29.2 127.11,29.2 126.51,28.6 126.51,27.8 124.87,26.15 124.87,25.21 123.52,25.21 123.11,24.8 123.11,23.6 121.11,21.6 117.51,21.6 115.91,20 104.51,20 103.01,21.5 99.31,21.5 ; 13.02,63.66 13.02,62.75 ; 13.02,63.66 14.06,63.66 14.51,63.2 21.11,63.2 22.11,64.2 30.31,64.2 30.91,63.6 ; 13.02,63.66 12.47,64.2 3.91,64.2 2.91,65.2 2.91,74 5.31,76.4 8.76,76.4 ; 118.11,108.8 116.86,107.55 116.86,105.5 ; 99.51,42.2 109.51,42.2 111.91,44.6 ; 99.51,42.2 98.21,43.5 98.21,43.85 ; 99.51,42.2 96.91,42.2 91.31,47.8 80.31,47.8 ; 289.11,79.2 283.31,79.2 282.75,79.77 281.02,79.77 281.02,80.67 280.49,81.2 269.31,81.2 265.55,84.97 263.02,84.97 263.02,85.87 262.32,86.57 254.74,86.57 251.35,89.97 245.02,89.97 245.02,90.5 244.11,91.4 238.11,91.4 236.91,90.2 236.91,85.6 235.11,83.8 230.11,83.8 228.82,85.1 227.35,85.1 227.22,84.97 227.22,85.87 226.69,86.4 219.91,86.4 218.91,85.4 218.91,80.4 217.31,78.8 211.91,78.8 210.95,79.77 209.02,79.77 209.02,80.67 208.29,81.4 204.71,81.4 204.31,81.8 198.91,81.8 196.11,84.6 ; 289.11,79.2 289.51,79.2 291.51,81.2 298.69,81.2 299.22,80.67 299.22,79.77 ; 289.11,79.2 290.51,77.8 290.51,69.8 289.11,68.4 289.11,64.8 290.81,63.1 ; 260.31,63.6 256.01,63.6 253.81,65.8 249.51,65.8 246.31,69 241.58,69 241.34,69.23 ; 260.31,63.6 258.01,65.9 258.01,66.27 ; 260.31,63.6 269.91,63.6 274.11,59.4 276.96,59.4 ; 80.31,47.8 79.81,48.3 79.81,49.25 ; 80.31,47.8 76.91,47.8 72.11,52.6 62.91,52.6 ; 85.31,68.66 84.77,69.2 77.11,69.2 74.51,71.8 70.71,71.8 69.56,72.95 67.22,72.95 67.22,73.5 66.31,74.4 58.51,74.4 58.11,74 58.11,69.4 56.11,67.4 49.57,67.4 49.22,67.75 49.22,67.96 47.97,69.2 41.11,69.2 39.11,67.2 39.11,64.4 37.71,63 31.51,63 31.02,63.5 31.02,62.55 ; 85.31,68.66 86.06,68.66 87.31,67.4 91.91,67.4 94.91,64.4 102.91,64.4 103.42,63.9 103.42,62.95 ; 85.31,68.66 85.31,67.85 85.42,67.75 ; 62.91,52.6 62.21,53.3 62.21,54.25 ; 62.91,52.6 60.71,52.6 55.51,47.4 45.51,47.4 ; 98.21,111.85 98.21,111.64 99.46,110.4 ; 241.34,69.23 240.01,70.56 240.01,71.47 ; 241.34,69.23 241.11,69 237.11,69 232.91,64.8 222.96,64.8 ; 48.64,102.53 49.22,101.96 49.22,101.75 ; 48.64,102.53 47.77,103.4 41.51,103.4 39.31,101.2 39.31,97.6 38.11,96.4 32.07,96.4 31.02,97.46 ; 48.64,102.53 49.37,101.8 56.31,101.8 57.91,103.4 57.91,107 59.51,108.6 65.51,108.6 67.02,107.1 67.02,106.75 69.76,106.75 73.11,103.4 83.91,103.4 85.02,102.3 85.02,101.75 90.96,101.75 94.51,98.2 101.71,98.2 102.92,97 102.92,96.7 ; 80.21,117.05 80.21,116.14 80.44,115.92 ; 26.01,44.05 26.01,43.5 27.11,42.4 ; 64.11,85.6 62.01,87.7 62.01,88.25 ; 14.26,97.46 13.51,98.2 8.31,98.2 7.31,99.2 7.31,101.8 3.91,105.2 3.91,108.4 7.51,112 25.51,112 27.51,110 ; 45.31,81 45.31,81.04 44.21,82.14 44.21,83.05 ; 195.96,113.25 198.11,115.4 208.09,115.4 209.02,114.47 209.02,113.57 210.55,113.57 211.71,112.4 215.11,112.4 218.71,116 218.71,119.2 219.71,120.2 226.35,120.2 227.07,119.47 227.07,118.57 228.75,118.57 229.91,117.4 233.71,117.4 236.51,120.2 236.51,124 237.91,125.4 244.49,125.4 245.22,124.67 245.22,123.77 251.75,123.77 255.11,120.4 262.49,120.4 263.22,119.67 263.22,118.77 265.15,118.77 268.71,115.2 280.47,115.2 281.02,114.66 281.02,113.75 281.57,113.2 287.51,113.2 290.51,110.2 290.51,103 288.91,101.4 288.91,98 291.21,95.7 ; 195.96,113.25 185.11,113.25 ; 195.96,113.25 192.86,110.15 192.86,105 ; 204.01,61.45 204.01,60.54 204.96,59.6 213.71,59.6 219.04,64.92 222.84,64.92 222.96,64.8 ; 80.44,115.92 81.16,115.2 88.71,115.2 90.31,116.8 92.71,116.8 94.31,115.2 94.31,112 95.91,110.4 99.46,110.4 ; v1(160.93,111.75) v1(160.93,112.81) v1(161.55,113.43) 161.14,113.03 ; 204.01,95.27 204.01,94.36 205.18,93.2 213.51,93.2 218.51,98.2 223.71,98.2 ; 31.02,97.46 31.02,96.55 ; 31.02,97.46 30.27,98.2 21.31,98.2 20.57,97.46 12.82,97.46 12.82,96.55 ; 27.51,110 37.91,110 38.91,111 38.91,113.2 40.71,115 44.91,115 ; 27.51,110 26.01,111.5 26.01,111.85 ; 96.91,76.6 95.11,78.4 95.11,81 93.11,83 90.31,83 88.31,81 81.16,81 ; 96.91,76.6 111.91,76.6 ; 96.91,76.6 98.56,76.6 97.81,77.34 97.81,78.25 ; 8.76,76.4 8.01,77.14 8.01,78.05 ; 8.76,76.4 16.31,76.4 17.91,78 25.61,78 ; 135.11,108.8 135.06,108.85 C23.1 ; 135.11,108.8 122.61,108.8 ; 135.11,108.8 143.51,108.8 ; 196.11,84.6 197.61,83.1 197.61,38.5 196.11,37 ; 196.11,84.6 192.86,87.85 192.86,105 ; 111.91,76.6 111.91,44.6 ; 111.91,76.6 111.91,109 110.51,110.4 99.46,110.4 ; 165.36,103 v1(161.61,103) ; 165.36,103 166.16,102.2 U2.1 ; 240.01,105.25 240.01,104.3 241.11,103.2 ; 222.96,64.8 222.21,65.54 222.21,66.45 ; 290.81,63.1 292.64,61.27 294.21,61.27 ; 290.81,63.1 288.71,61 286.31,61 284.71,59.4 276.96,59.4 ; 185.11,113.25 180.61,113.25 179.61,112.25 179.61,110.75 178.11,109.25 172.11,109.25 171.36,108.5 ; 185.11,113.25 187.11,115.25 187.11,115.75 187.36,116 R10.2 ; 196.11,37 189.91,37 181.11,28.19 181.11,24.69 ; 196.11,37 199.71,33.4 199.71,23.6 203.71,19.6 207.51,19.6 ; 80.01,83.05 80.01,82.14 81.16,81 ; 171.36,108.5 171.36,110.41 ; 223.71,98.2 222.01,99.9 222.01,100.27 ; 223.71,98.2 231.71,98.2 236.71,103.2 241.11,103.2 ; 81.16,81 78.91,81 75.71,84.2 75.31,84.2 73.71,85.8 70.91,85.8 70.71,85.6 56.91,85.6 52.31,81 40.71,81 36.11,76.4 26.78,76.4 26.01,77.16 26.01,78.07 ; 207.51,19.6 208.51,20.6 ; 207.51,19.6 220.91,19.6 223.11,21.8 228.71,21.8 230.96,24.05 ; 276.01,61.25 276.01,60.34 276.96,59.4 ; 299.22,45.77 299.22,45.98 297.79,47.4 291.31,47.4 289.68,45.77 281.02,45.77 281.02,46.67 280.49,47.2 271.31,47.2 267.75,50.77 263.02,50.77 263.02,51.67 262.29,52.4 253.91,52.4 250.15,56.17 245.02,56.17 245.02,56.38 243.79,57.6 237.51,57.6 236.11,56.2 236.11,51.2 234.31,49.4 231.11,49.4 229.56,50.95 227.22,50.95 227.22,51.5 226.31,52.4 219.91,52.4 218.91,51.4 218.91,47.4 216.31,44.8 211.51,44.8 210.36,45.95 209.02,45.95 209.02,46.86 208.47,47.4 204.71,47.4 204.11,48 199.36,48 197.61,49.75 ; 143.51,107.6 142.41,106.5 U1.1 142.41,104.45 142.86,104 143.93,104 145.61,102.31 145.61,97.56 146.86,96.31 146.86,61.29 145.61,60.04 145.61,57.75 145.22,57.35 145.22,56.22 145.31,56.12 145.31,55.34 144.76,54.78 144.39,54.78 143.73,54.11 143.73,52.78 143.01,52.06 142.32,52.06 140.8,50.54 138.65,50.54 137.11,49 136.11,49 136.36,48.74 136.36,47.51 134.54,45.69 134.02,45.69 ; 143.51,107.6 143.51,112.2 141.11,114.6 D2.1 139.11,114.6 138.89,114.83 135.95,114.83 135.5,115.27 134.75,115.27 U5.5 ; 143.51,107.6 145.46,107.6 145.86,108 C1.1 ; 122.61,108.8 125.61,111.8 125.61,122.07 R12.2 ; 122.61,108.8 112.11,108.8 ; C24.1 173.11,116.5 173.36,116.25 ; 45.51,47.4 43.71,47.4 38.71,42.4 27.11,42.4 ; 45.51,47.4 44.01,48.9 44.01,49.25 ; R6.1 171.36,110.41 ; 171.36,110.41 171.36,111.75 173.36,113.75 173.36,116.25 ; 294.21,95.03 291.95,95.03 291.91,95 291.21,95.7 ; 27.11,42.4 9.31,42.4 8.01,43.7 8.01,44.05 ; 241.11,103.2 247.71,103.2 250.84,100.07 258.01,100.07 258.01,99.3 259.71,97.6 268.71,97.6 271.26,95.05 276.01,95.05 276.01,94.14 276.96,93.2 284.31,93.2 286.11,95 290.51,95 291.21,95.7 ; 192.86,105 5V#2.1 ; 44.91,115 44.01,115.9 44.01,117.05 ; 173.36,116.25 174.66,117.55 175.57,117.55 U10.5
